# Altium PCB Grandmaster.PcbDoc (part 1 of 3)
Units mil, origin at the board's own origin, x right, y up, seen from the top; angles counter-clockwise.
Board outline 7087.6 x 4375.98 mil, 6 copper layers (TOP, SGND, IN1, IN2, SGND1, BOTTOM), stack 47.2 mil thick; 162 components, 147 nets, 938 pads, 430 vias.
Unrouted connection lines stored in the file: 225.
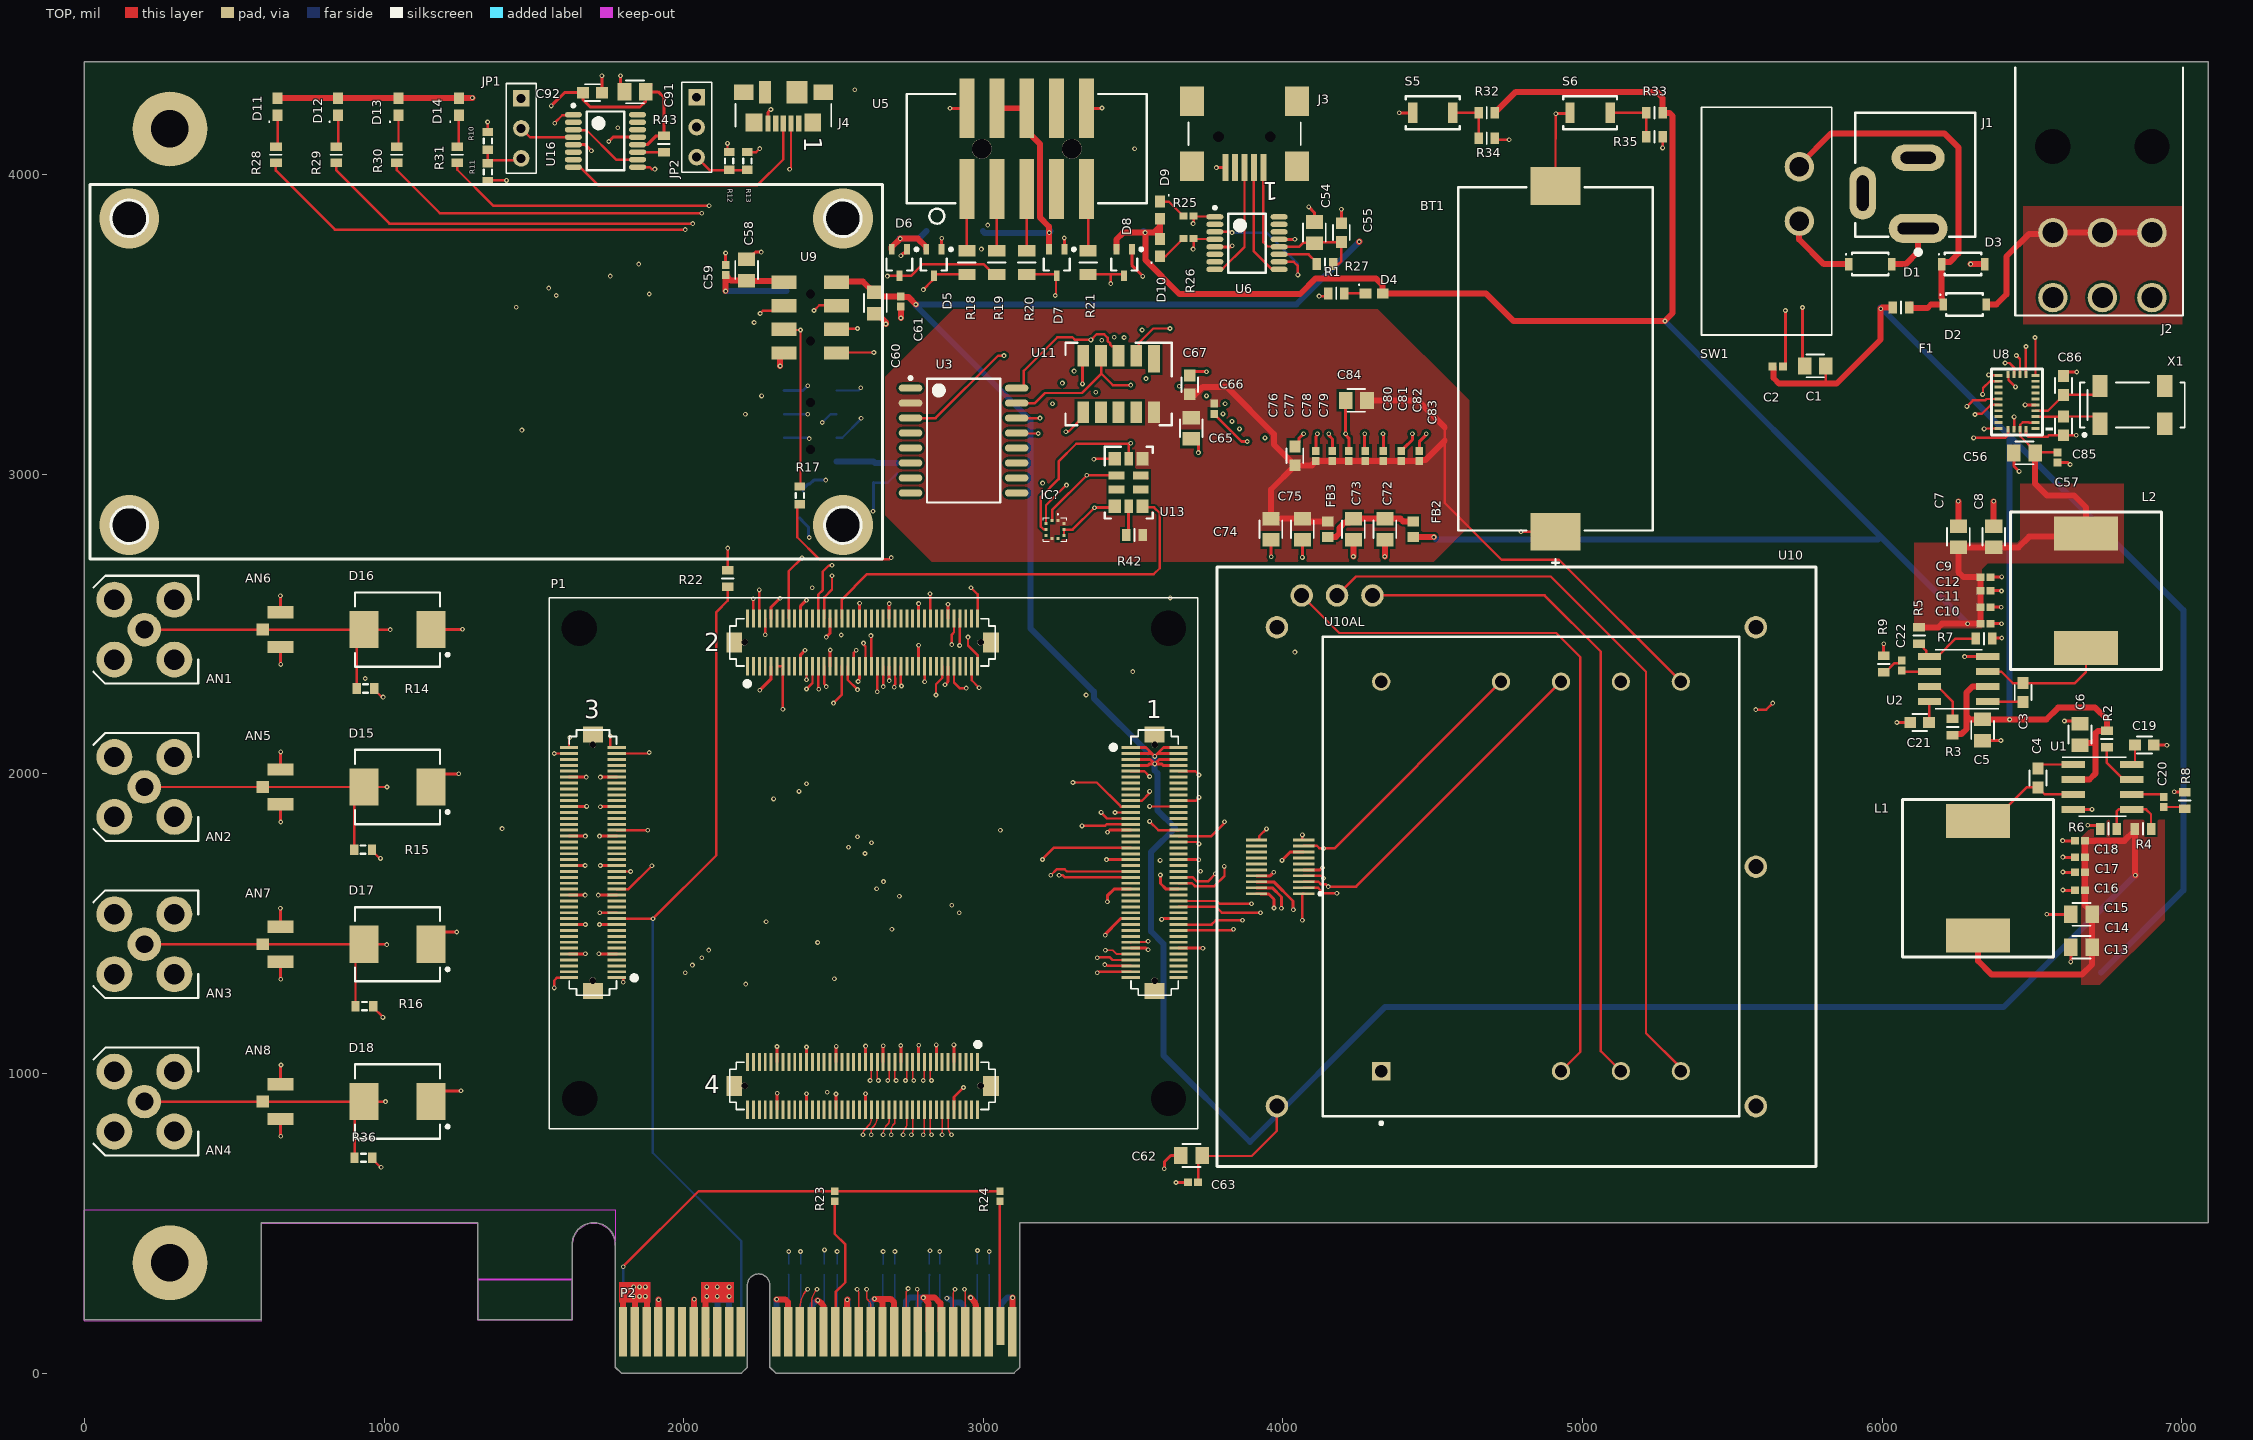
[diagram p0: TOP view]
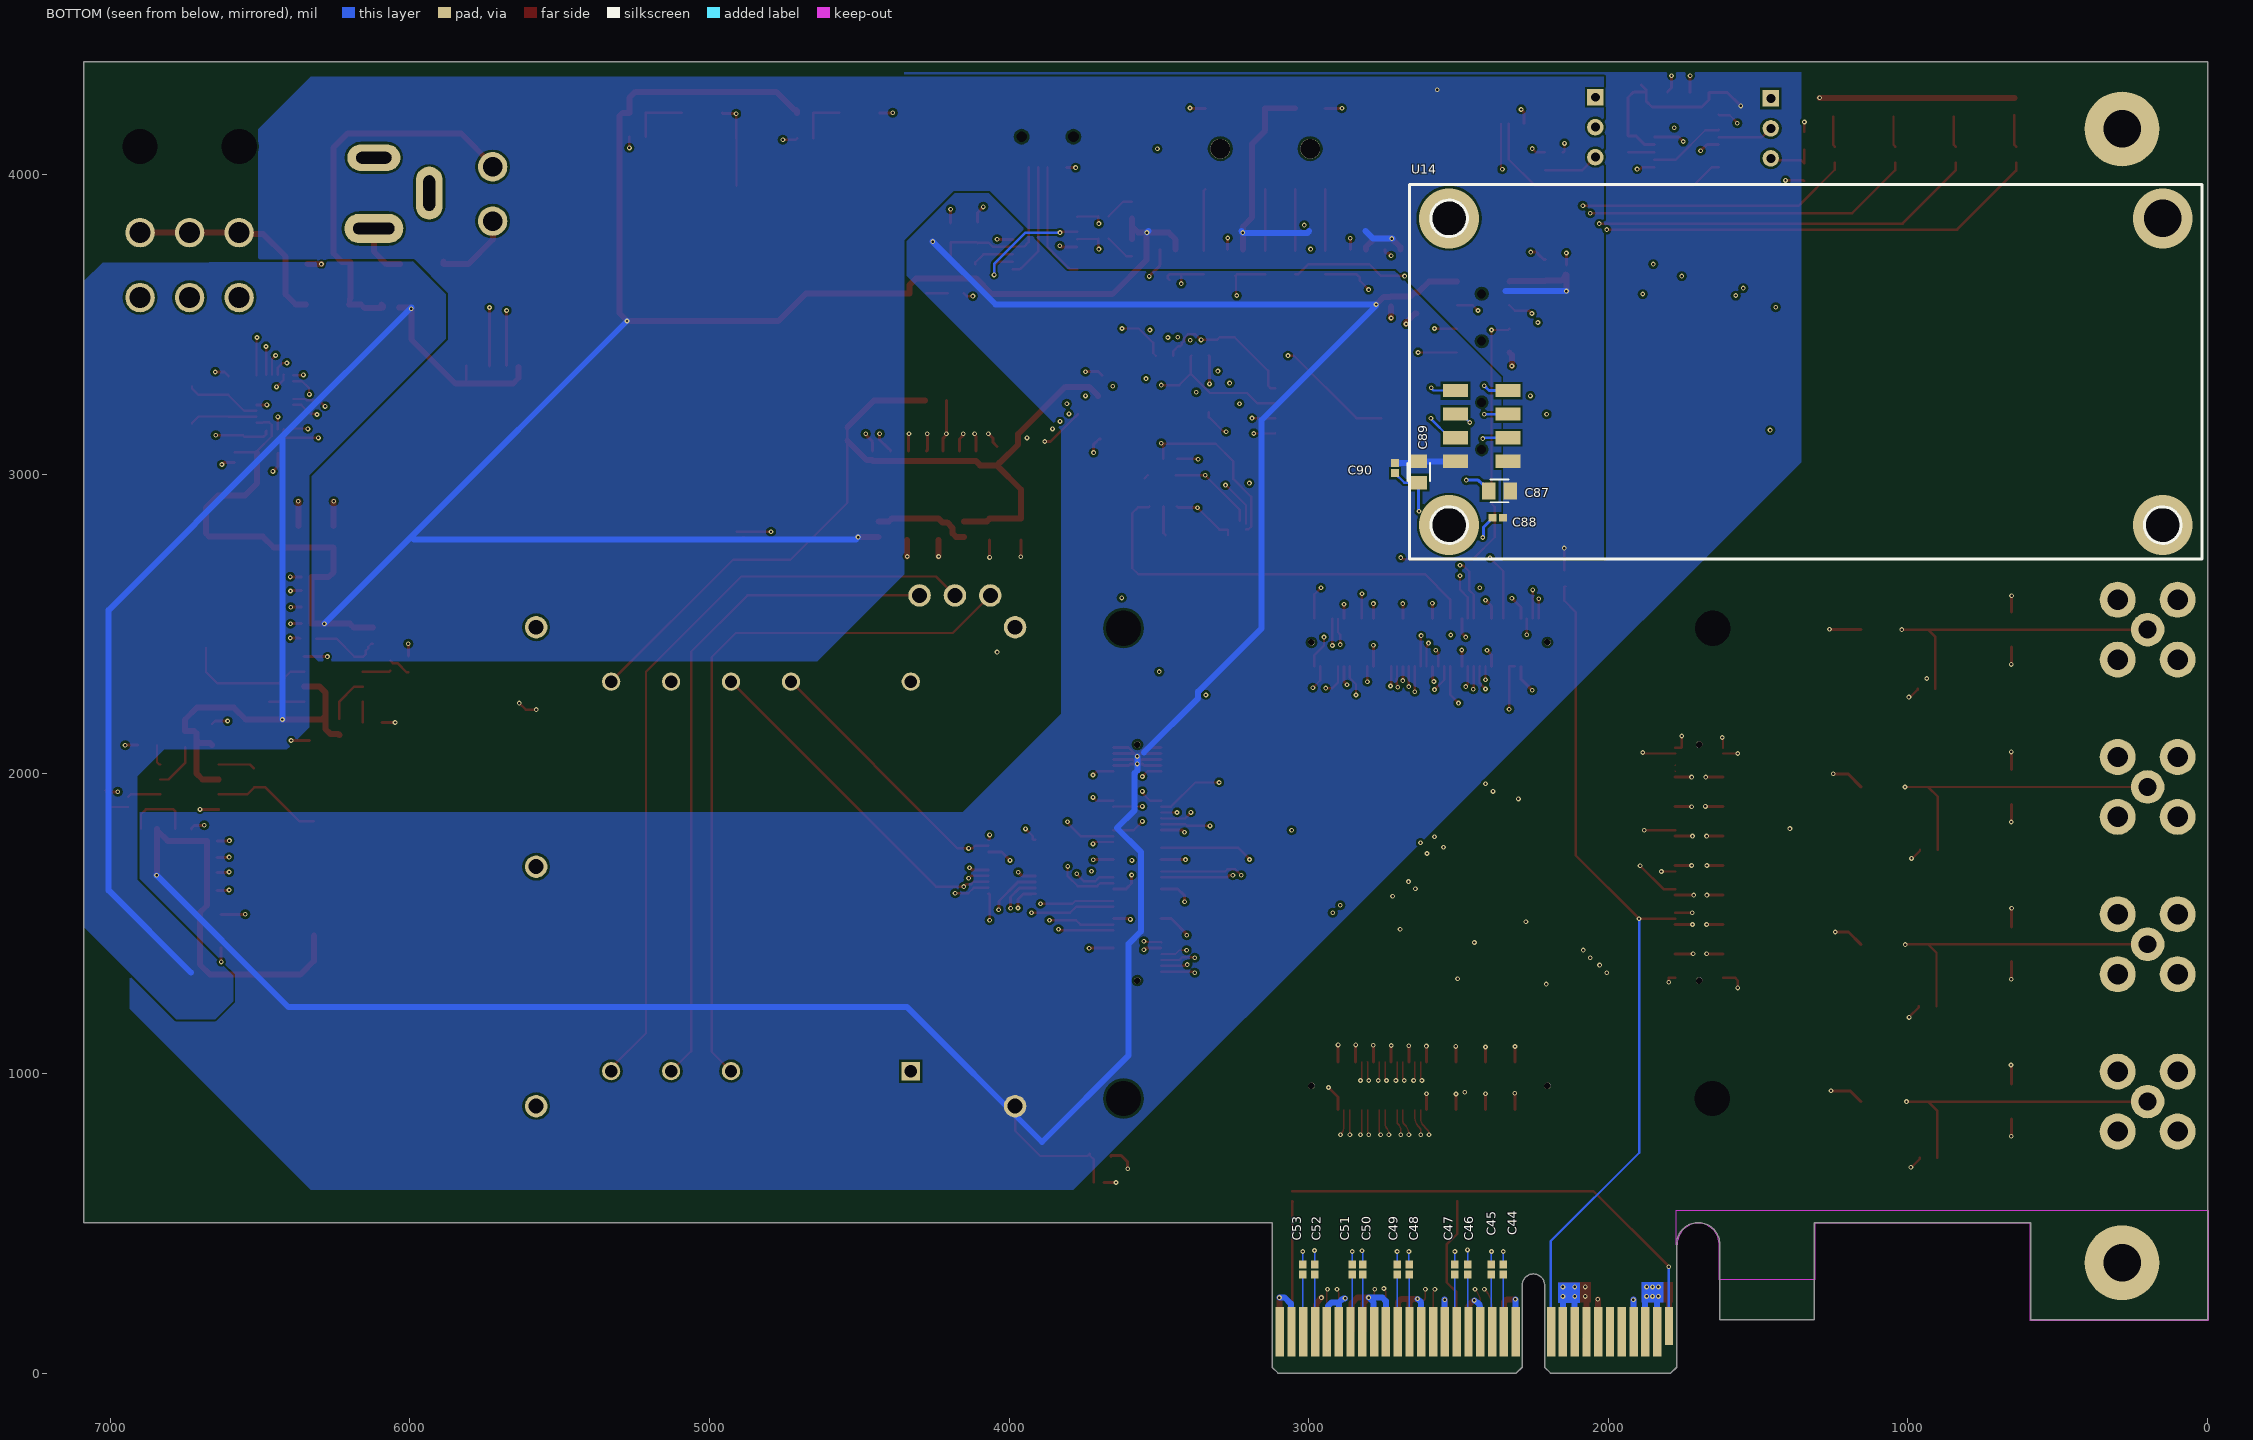
[diagram p1: BOTTOM view, seen from below]
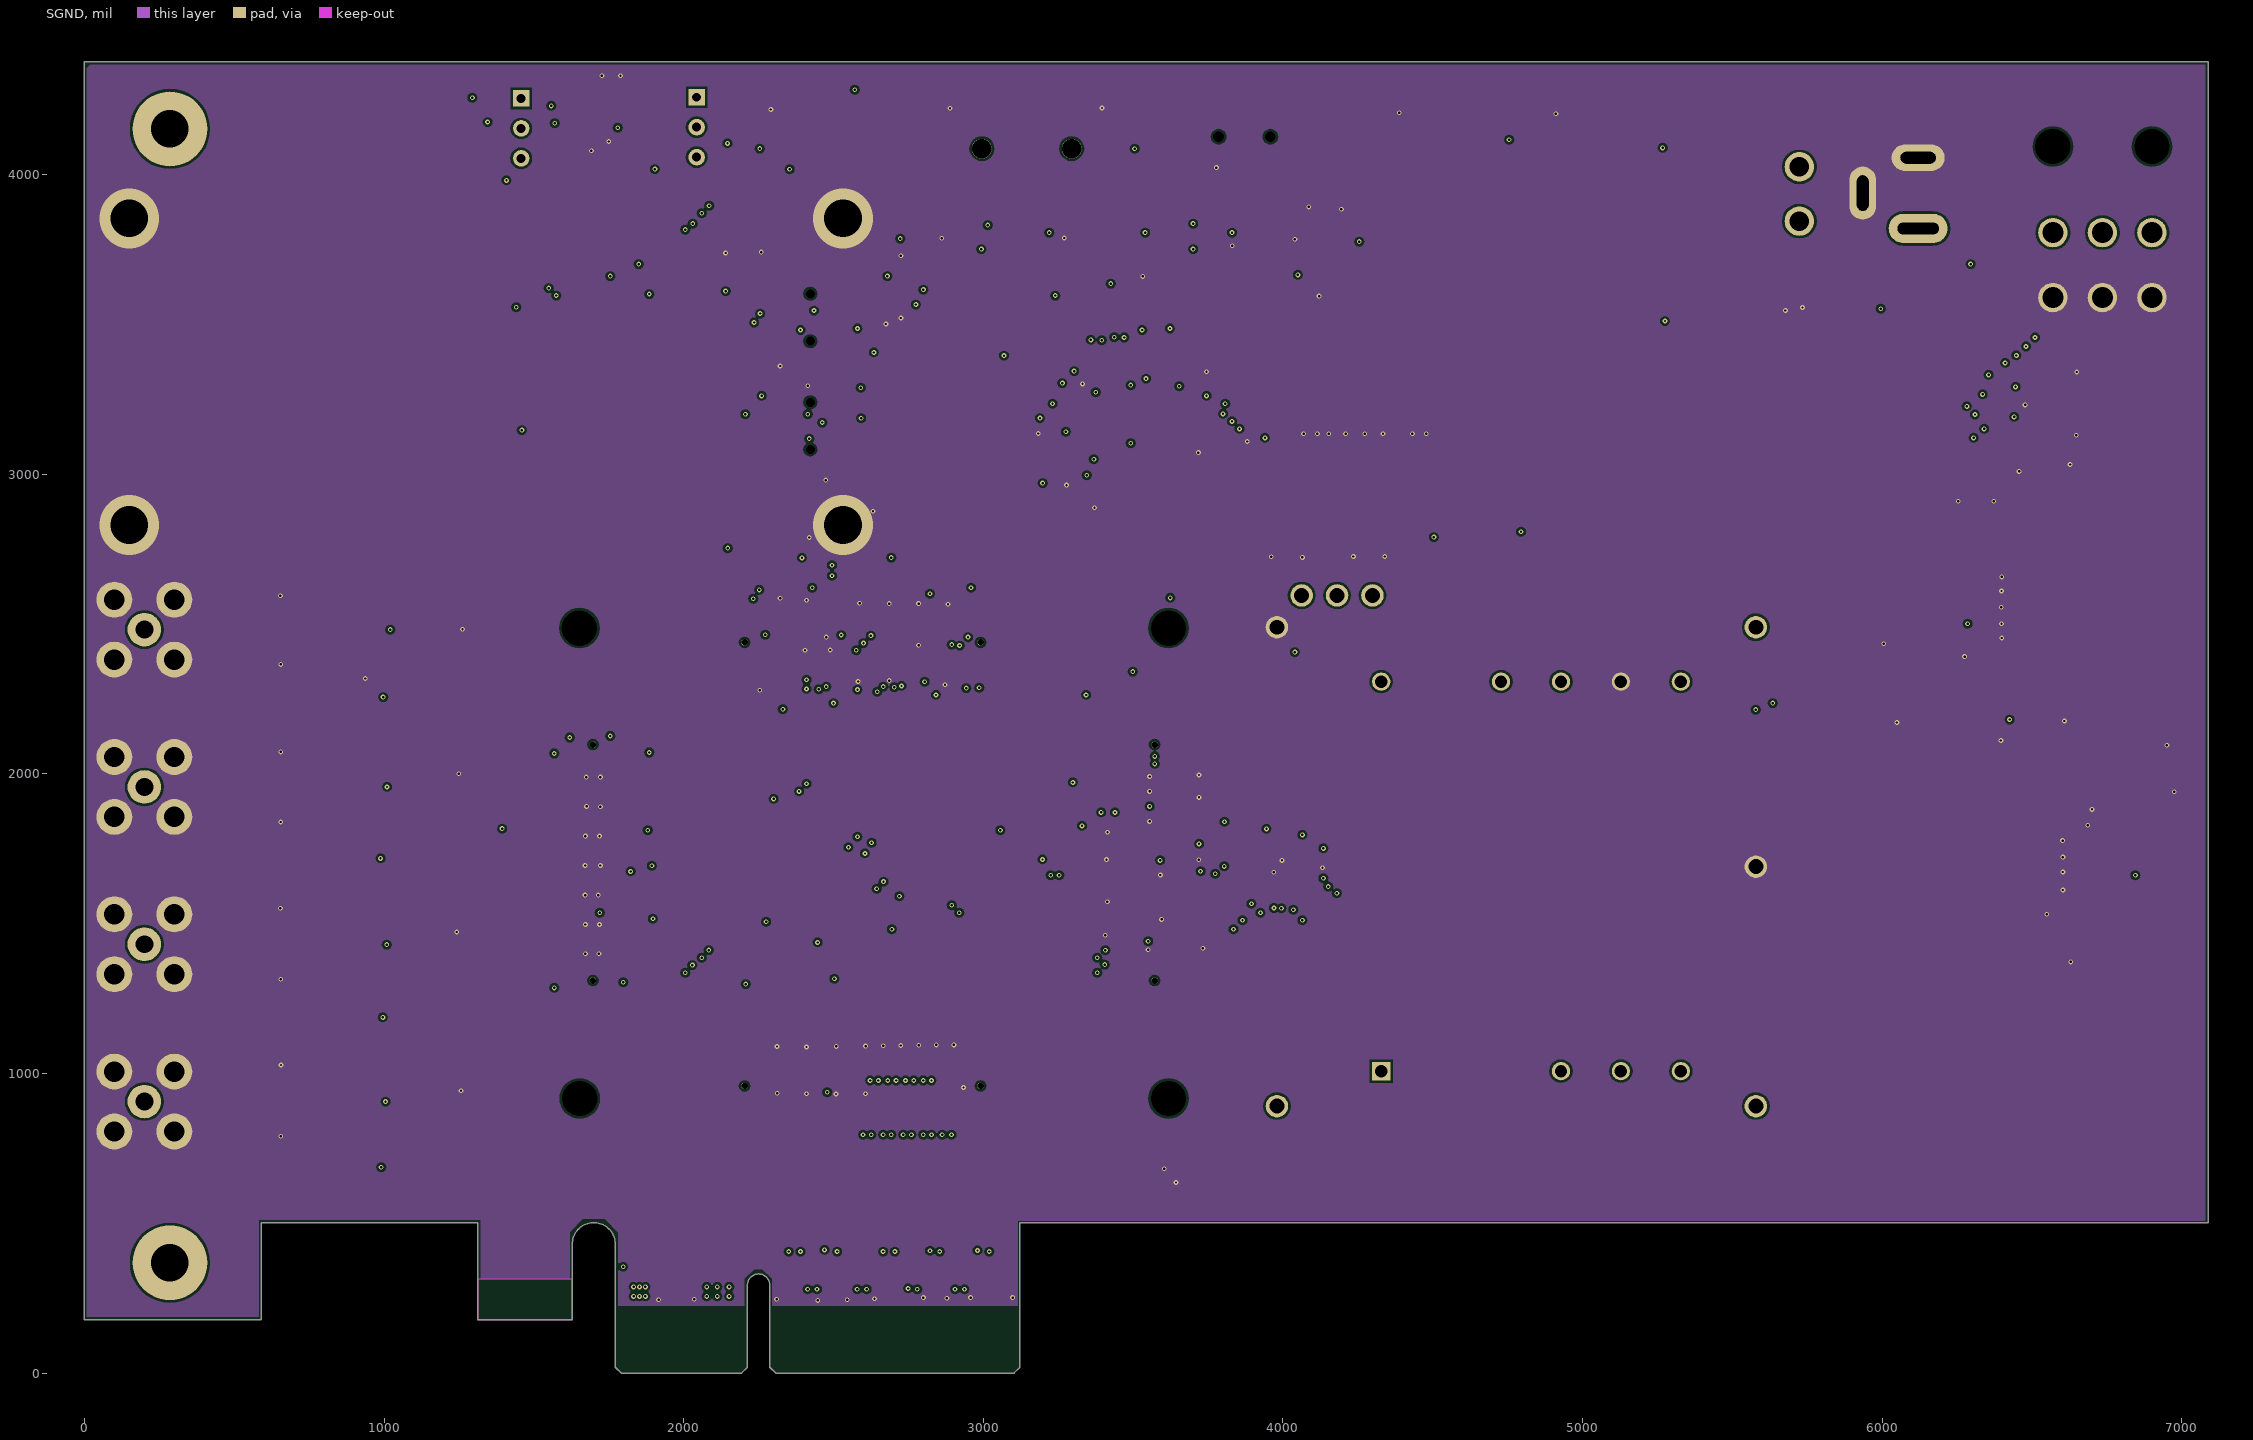
[diagram p2: SGND]
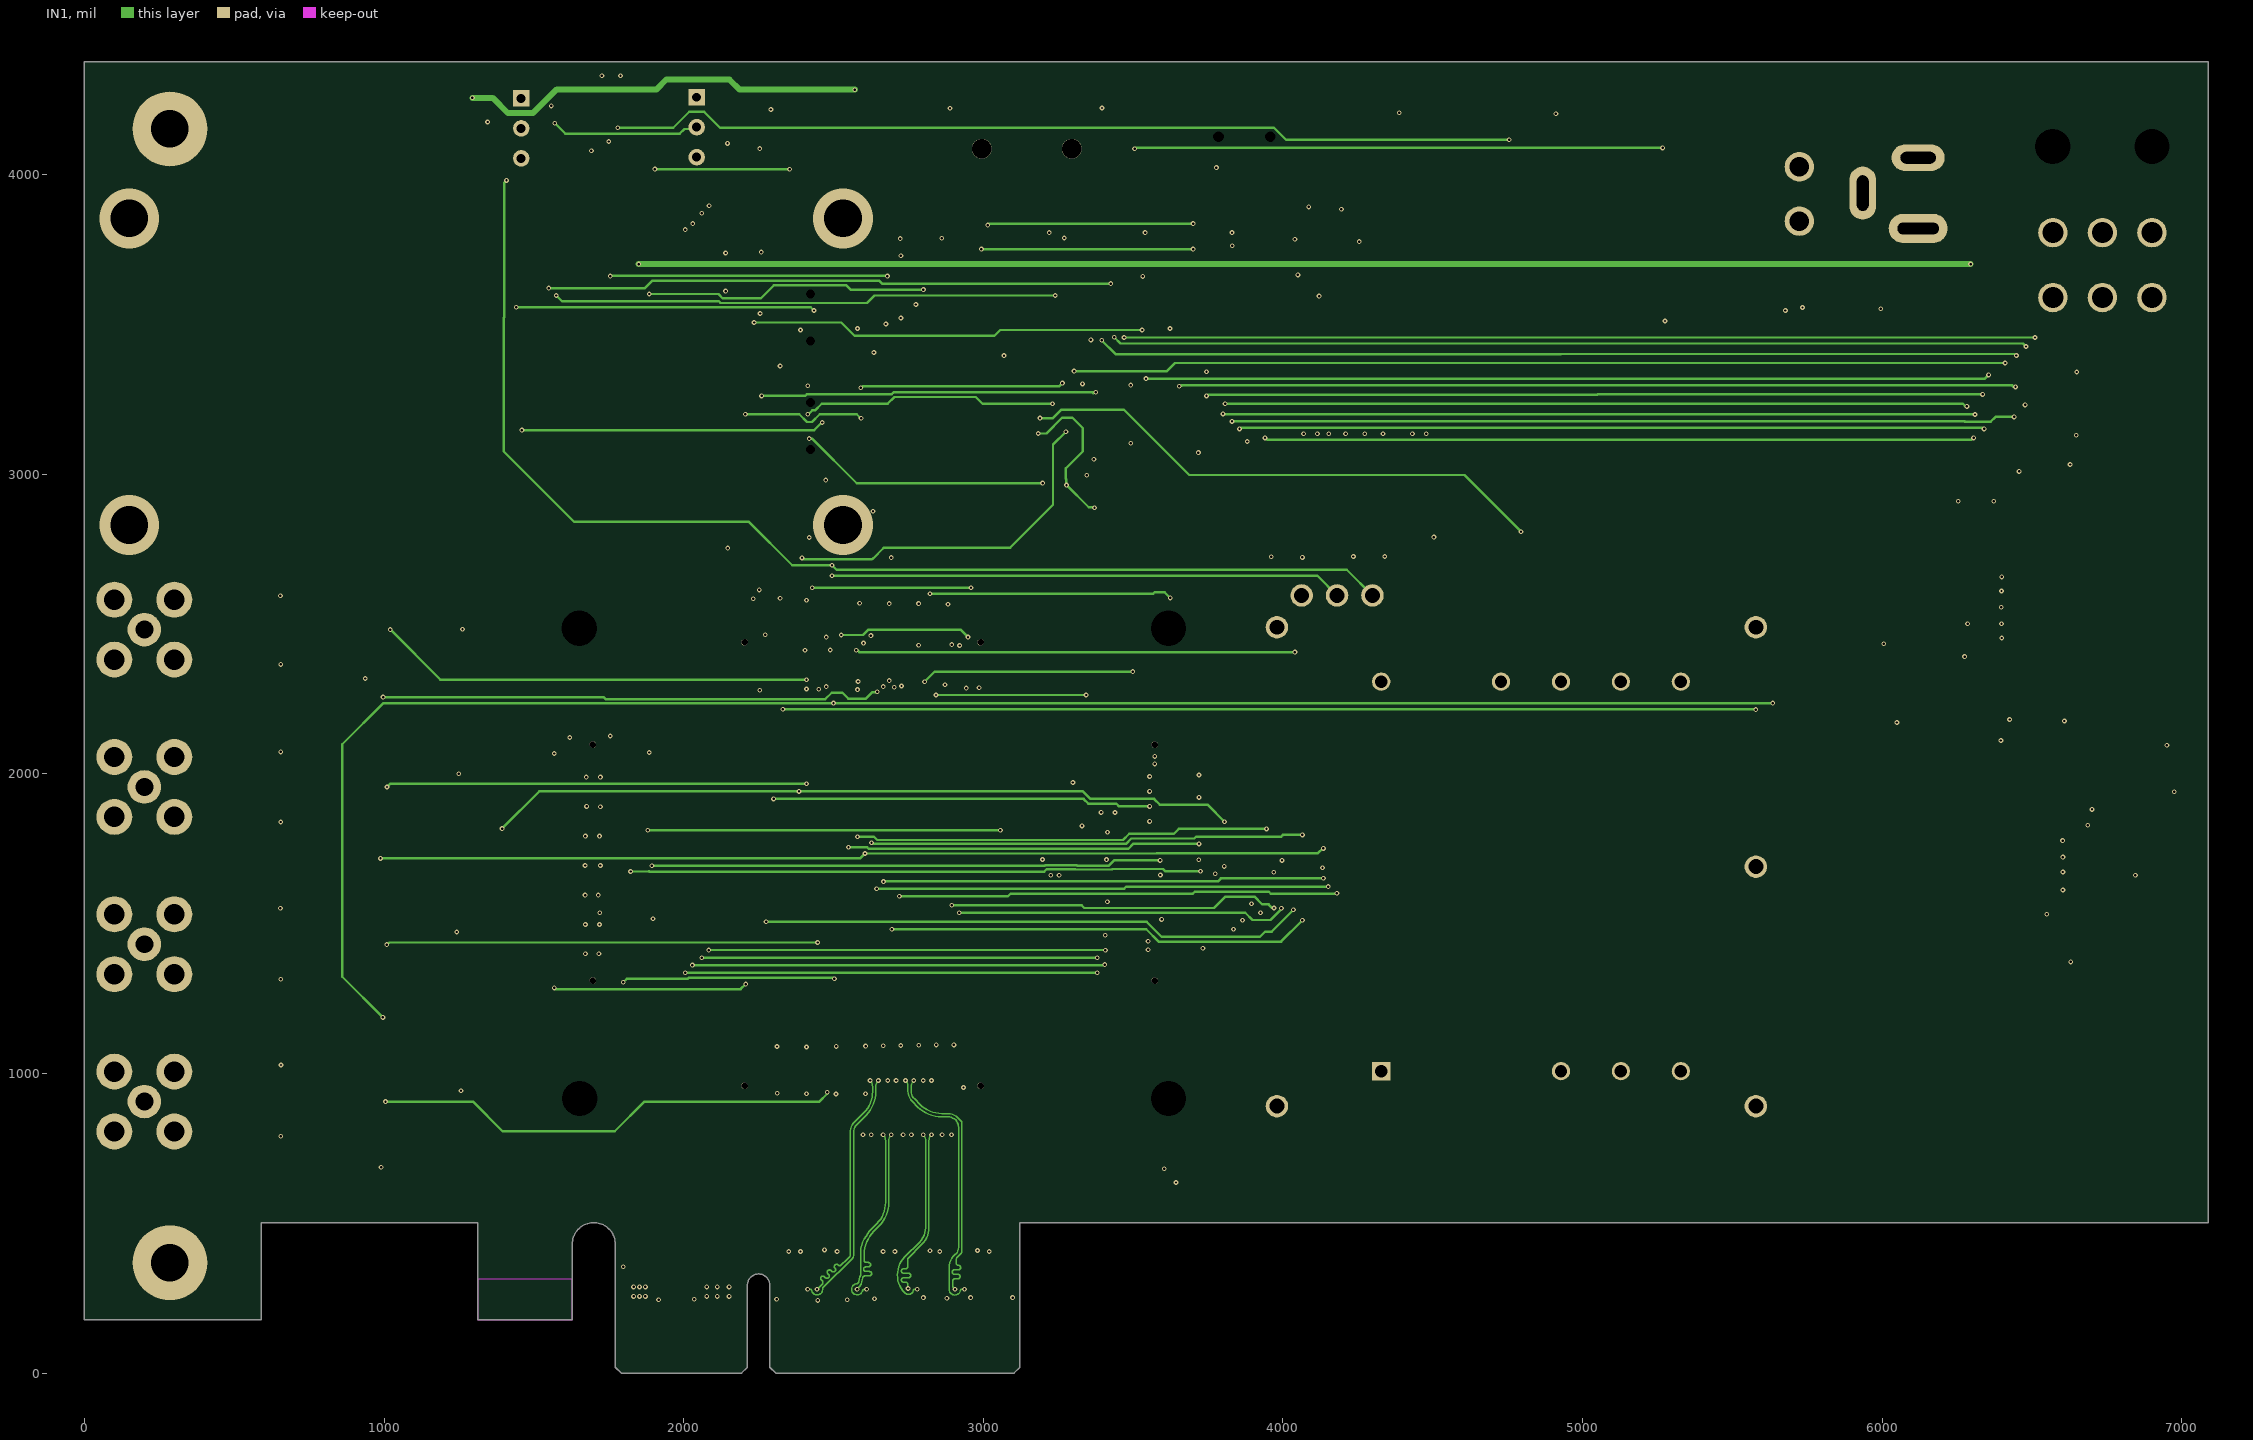
[diagram p3: IN1]